# Altium PCB Rev5_FE_Test.PCBDOC (part 2 of 2)
Units mm, origin at the board's own origin, x right, y up, seen from the top; angles counter-clockwise.
Board outline 100 x 23.5 mm, 6 copper layers (Top Layer, Int1 (GND), Int2 (Sign), Int3 (Sign), Int4 (GND), Bottom Layer), stack 1.49 mm thick; 156 components, 83 nets, 449 pads, 275 vias.
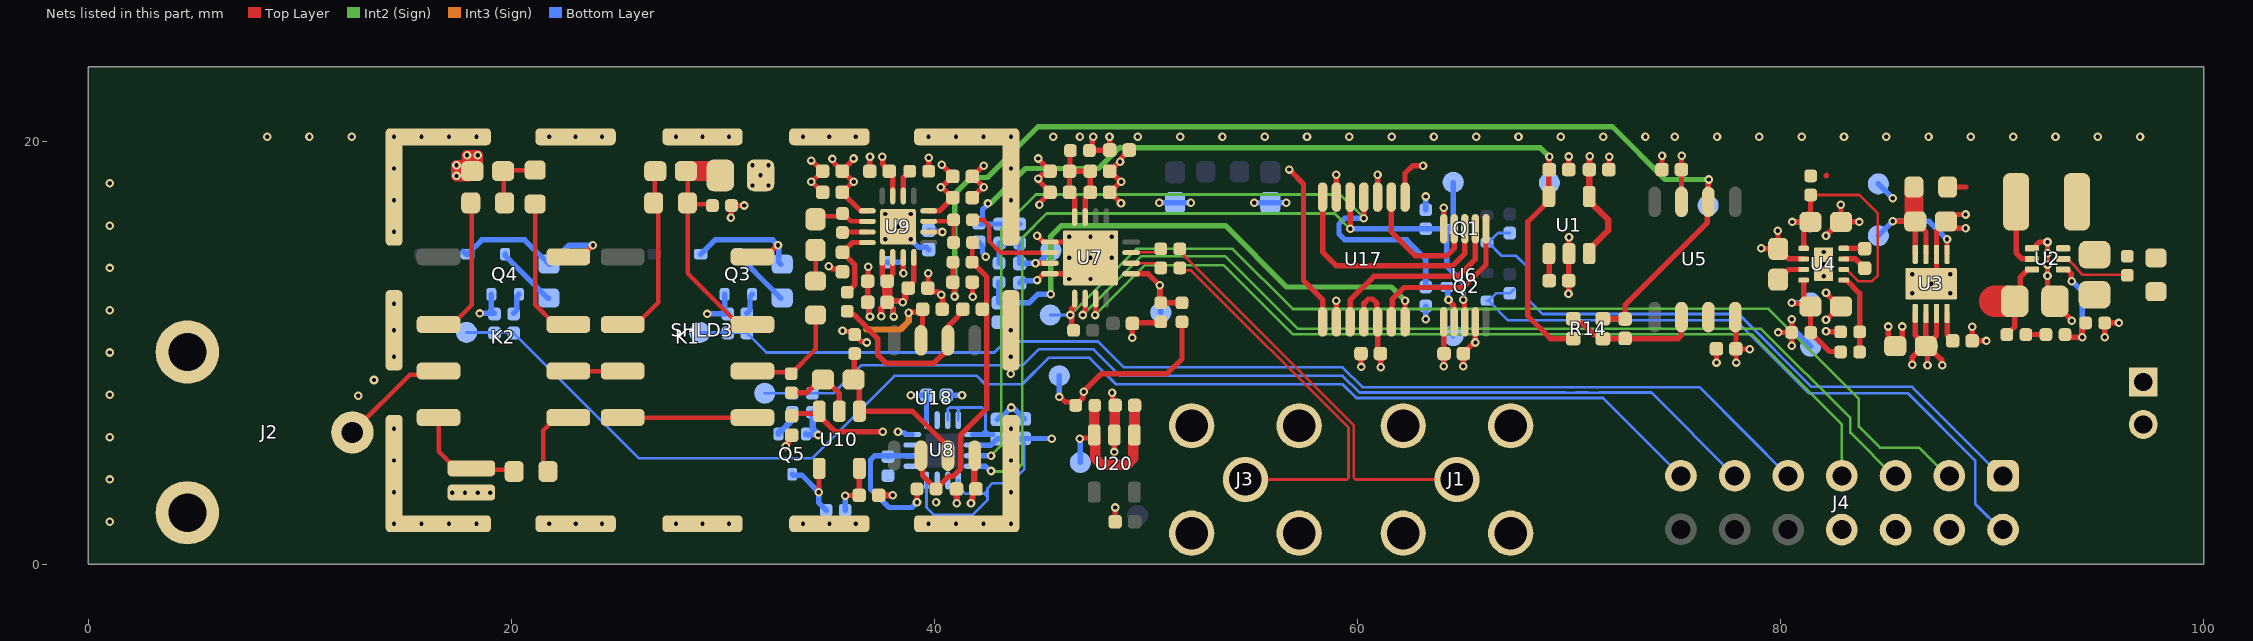
[diagram p6: the nets of this part, all layers, seen from the top]

## Via types
v1: diameter 0.406, hole 0.203, Top Layer to Bottom Layer, tented both sides, 275 vias

## Nets (pads, with @x,y where several pads share a name; then routed paths per layer and width w, separated by ;. In a path a pad name is that pad's centre, name@x,y a point inside that pad or via, vN(x,y) a via of type N, cw(c..) or ccw(c..) an arc to the next point about the centre after c; other vN are vias at no path point) (continued)
+5V: C7.2 C12.1 C13.2 C15.2 C17.1 C22.2 C37.2 C38.1 C39.1 C63.1 C64.2 C78.2 C101.2 C107.2 C132.2 FB8.2 R1.2 R22.2 R23.2 R117.1 R125.2 TP10.1 TP54.1 U1.3 U1.4 U3.1 U3.2 U3.3 U5.7 U6.1 U8.7 U8.8 U8.9 U8.10 U8.13 U8.16 U9.1 U9.12 U9.15 U10.5 U17.11 U17.12 U18.7 | length 75.7
  Top Layer w0.25: v1(35.175,19.154) 35.215,19.115 35.215,19.014 35.635,18.594 C38.1@35.635,18.575 C38.1@35.654,18.575 ; C63.1@35.635,17.575 36.508,16.702 36.548,16.702 36.55,16.7 U9.1@36.825,16.7 ; C63.1@35.654,17.575 36.151,18.072 v1(36.185,18.072) ; v1@36.125,18.075 36.125,18.104 C38.1@35.654,18.575 ; v1(36.175,19.175) 36.175,19.134 35.654,18.613 C38.1@35.654,18.575 ; v1(37.525,19.25) 37.555,19.22 37.555,18.899 38.025,18.429 U9.15@38.025,17.4 ; v1(38.775,11.875) 38.805,11.905 39.395,11.905 C37.2@39.431,11.941 ; U9.12@39.725,16.7 40.24,16.7 C78.2@40.865,17.325 40.846,17.325 40.403,17.768 40.342,17.768 v1(40.303,17.807) 40.329,17.807 C39.1@40.846,18.325 ; v1(40.35,18.875) 40.35,18.858 40.846,18.361 C39.1@40.846,18.325
  Top Layer w0.254: v1(35.775,3.225) 35.788,3.238 36.428,3.238 C101.2@36.44,3.25 36.445,3.255 U10.5@36.445,4.52 ; U10.5@36.445,4.645 U10.5@36.45,4.65 ; U18.7@39.365,10.575 39.431,10.641 C37.2@39.431,11.941 ; U18.7@39.415,10.575 U18.7@39.453,10.613 ; v1(45.9,7.9) 45.941,7.9 46.182,7.659 46.516,7.659 R117.1@46.675,7.5 46.675,7.512 47.021,7.858 47.021,8.121 v1(47.05,8.15) 47.9,9 51,9 51.7,9.7 R1.2@51.7,11.45 ; FB8.2@47.45,19.55 FB8.2@47.325,19.55 FB8.2@47.338,19.562 ; v1(47.5,20.2) 47.5,20.159 47.461,20.119 47.461,19.686 FB8.2@47.338,19.562 ; v1(48.275,20.2) 48.283,20.193 48.283,19.582 C132.2@48.29,19.575 48.278,19.562 FB8.2@47.338,19.562 ; U17.11@60.3,11.45 60.3,12.325 60.507,12.532 60.718,12.532 60.913,12.337 60.913,11.488 U17.12@60.95,11.45 ; U17.12@60.95,11.45 60.95,10.085 C107.2@61.085,9.95 61.091,9.944 61.091,9.309 v1(61.096,9.304) ; v1(64.075,9.35) 64.083,9.357 64.083,9.992 64.09,10 64.083,10.007 64.083,11.443 U6.1@64.075,11.45 ; U5.7@75.32,17.125 75.318,17.127 75.318,18.648 C12.1@75.315,18.65 75.32,18.655 75.32,19.295 v1(75.325,19.3) ; v1(86.225,9.425) 86.225,9.775 86.402,9.952 86.417,9.952 86.765,10.3 C7.2@86.875,10.3 ; U3.1@86.375,11.855 86.375,10.81 C7.2@86.875,10.31 ; U3.2@86.875,11.855 C7.2@86.875,10.31 ; v1(86.95,9.4) 86.95,10.075 86.875,10.15 C7.2@86.875,10.3 ; U3.3@87.375,11.855 87.375,10.81 C7.2@86.875,10.31 ; v1(87.65,9.4) 87.621,9.429 87.621,9.654 86.975,10.3 C7.2@86.875,10.3 ; C7.2@86.875,10.3 C7.2@86.875,10.31
  Top Layer w0.3: U1.3@70.95,14.675 70.95,14.875 71.85,15.775 71.85,16.275 71.524,16.601 71.1,17.025 U1.4@70.957,17.167 ; v1(70.975,19.275) 70.97,19.27 70.97,18.655 C17.1@70.965,18.65 70.957,18.642 U1.4@70.957,17.383 ; U1.4@70.957,17.167 U1.4@70.957,17.383 ; U1.4@70.957,17.167 70.95,17.175 U1.4@70.95,17.375 U1.4@70.957,17.383
  Int3 (Sign) w0.3: 36.772,11.09 38.39,11.09 38.775,11.475 v1(38.775,11.875)
  Bottom Layer w0.127: U8.16@39.625,3.95 39.625,2.675 39.975,2.325 41.8,2.325 42.506,3.031 42.506,3.581 42.75,3.825 43.575,3.825 44.25,4.5 C22.2@44.25,5.94 ; U8.7@40.625,6.8 40.627,6.802 40.627,7.318 40.71,7.401 40.891,7.401 40.89,7.4 41.008,7.4 ; 41.101,7.306 41.008,7.4 ; U8.13@41.125,3.95 41.125,3.65 41.45,3.325 42.35,3.325 ; U8.8@41.125,6.8 41.13,6.805 41.13,7.28 41.25,7.4 ; 41.125,7.306 41.125,7.4 ; 42.275,6.175 42.275,6.194 42.415,6.335 ; 42.475,3.45 42.35,3.325 ; 42.5,3.175 42.35,3.325 ; 42.5,3.325 42.35,3.325 ; 42.5,6.125 42.415,6.21 42.415,6.335 ; 42.55,6.2 42.415,6.335 ; 41.008,7.4 41.125,7.4 ; 41.125,7.4 41.25,7.4 ; 41.25,7.4 42.25,7.4 42.415,7.235 42.415,6.335
  Bottom Layer w0.254: R125.2@35.775,2.55 v1(35.775,3.225) ; U8.10@41.8,5.625 42.667,5.625 42.957,5.915 C15.2@42.975,5.915 42.987,5.927 44.238,5.927 C22.2@44.25,5.94 44.257,5.933 45.542,5.933 v1(45.55,5.925) ; U8.9@41.8,6.125 42.5,6.125 C15.2@42.747,6.125 ; v1(45.9,7.9) TP54.1@45.9,8.9 ; v1(63.225,11.575) R23.2@63.225,12.2 ; R22.2@63.225,16.75 v1(63.225,17.375) ; v1(86.95,9.4) TP10.1@86.95,10.3
+5V2: C3.2 R7.1 R8.1 R10.2 TP13.1 U2.6 | length 6.2
  Top Layer w0.254: R8.1@81.425,18.35 R8.1@81.438,18.363 ; 82.163,18.363 82.175,18.375 ; R7.1@87.905,17.825 88.755,17.825 ; R10.2@90.7,10.85 91.075,11.225 C3.2@91.075,12.425 ; C3.2@91.05,12.45 C3.2@91.075,12.425 ; U2.6@91.885,13.925 91.7,13.925 91.337,13.562 91.337,12.687 C3.2@91.075,12.425
  Top Layer w1.5: 90.125,12.425 C3.2@90.8,12.425
  Bottom Layer w0.254: TP13.1@84.625,17.975 v1(85.3,17.3)
+VBIAS: C18.1 C130.1 R14.2 R118.2 R119.1 TP17.1 U1.5 | length 42.3
  Top Layer w0.254: v1(69.075,19.25) 69.07,19.245 69.07,18.705 69.05,18.685 U1.5@69.05,17.375 69.05,17.175 68.05,16.175 68.05,11.725 69.12,10.655 R14.2@70.2,10.655
  Int2 (Sign) w0.254: v1(42.525,17.05) 42.554,17.079 42.679,17.079 44.3,18.7 47.75,18.7 48.725,19.675 67.35,19.675 68.65,19.675 v1(69.075,19.25)
  Bottom Layer w0.254: v1(42.525,17.05) 42.525,17.009 42.273,16.756 42.273,16.308 C130.1@42.1,16.135 42.16,16.075 R118.2@43.075,16.075 R119.1@44.025,16.075 ; TP17.1@69.075,18.375 v1(69.075,19.25)
+VPGA: C32.2 C33.2 C34.2 C35.2 FB8.1 U7.3 U7.4 | length 6.6
  Top Layer w0.25: C34.2@46.385,18.594 C32.2@46.385,17.575 46.385,17.556 46.625,17.316 U7.4@46.625,16.4 ; FB8.1@46.405,19.57 FB8.1@46.425,19.55 46.405,19.53 46.405,18.595 C34.2@46.385,18.575 C35.2@47.365,18.575 ; U7.3@47.125,16.4 47.125,17.316 47.365,17.556 C33.2@47.365,17.575 C35.2@47.365,18.575 ; C35.2@47.345,18.595 C35.2@47.365,18.575
+VUSB: J12.1 R3.2
-5V: C14.2 C16.2 C102.2 C108.2 C109.1 C110.1 C124.1 C127.2 C128.2 R9.2 R55.2 TP15.1 U5.4 U8.5 U9.5 U9.6 U9.8 U9.10 U10.3 U18.4 | length 28.4
  Top Layer w0.127: C108.2@37.76,13.375 C108.2@37.76,13.427 ; C127.2@38.765,13.05 C127.2@38.765,13.102
  Top Layer w0.25: U9.5@37.525,14.5 37.525,13.662 37.76,13.427 38.025,13.692 U9.6@38.025,14.5 ; C109.1@37.76,12.375 37.885,12.5 37.934,12.451 38.369,12.451 38.445,12.375 v1(38.5,12.375) ; C109.1@37.854,12.263 38.054,12.063 38.054,11.721 v1(38.075,11.7) ; C127.2@38.765,13.102 39.025,13.362 U9.8@39.025,14.5 ; U9.10@39.725,15.7 v1(40.375,15.7) ; U5.4@77.86,11.675 77.895,11.64 77.895,9.53 v1(77.9,9.525) ; C14.2@77.903,10.163 78.528,10.163 v1(78.54,10.15) ; v1(79.895,10.95) R9.2@80.525,10.95 ; v1(80.525,10.32) R9.2@80.525,10.95 ; v1(80.525,11.58) R9.2@80.525,10.95
  Top Layer w0.254: C128.2@33.25,7.01 33.358,7.118 34.379,7.118 U10.3@34.379,7.01 ; U10.3@34.55,7.225 34.55,7.181 U10.3@34.379,7.01 ; v1(37.55,6.25) 35.325,6.25 34.69,6.885 34.69,7.01 U10.3@34.379,7.01
  Top Layer w0.3: v1(37.487,11.712) 37.487,12.096 37.752,12.361 C109.1@37.752,12.367 ; v1(38.5,12.375) 38.5,12.418 38.623,12.541 38.623,12.908 C127.2@38.765,13.05 ; v1(41.725,2.875) 41.725,2.904 41.796,2.975 C124.1@41.796,3.381 ; C124.1@41.88,3.605 U18.4@41.88,5.1 ; U18.4@41.93,5.1 U18.4@41.955,5.125 ; C124.1@41.943,3.518 C124.1@41.975,3.55
  Top Layer w0.5: C109.1@37.76,12.375 C108.2@37.76,13.375
  Bottom Layer w0.25: v1(37.487,11.712) 37.471,11.727 37.471,12.067 37.76,12.356 C102.2@37.76,12.37 ; R55.2@37.75,13.375 37.755,13.37 C102.2@37.755,12.38 ; v1(38.075,11.7) 38.045,11.73 38.045,12.085 C102.2@37.76,12.37 ; v1(38.5,12.375) 38.457,12.375 38.385,12.448 37.833,12.448 C102.2@37.76,12.375 C102.2@37.76,12.37 ; v1(38.875,7.975) C16.2@39.64,7.975 39.627,7.962 39.627,6.802 U8.5@39.625,6.8 ; C110.1@39.725,15.785 39.78,15.73 40.345,15.73 v1(40.375,15.7) ; v1(79.895,10.95) 80.775,10.95 TP15.1@81.425,10.3
-VBIAS: C28.1 C100.1 R14.4 R99.1 TP19.1 U5.6 | length 55
  Top Layer w0.25: R99.1@40.875,14.275 40.87,14.27 40.87,13.33 C28.1@40.865,13.325 C28.1@40.92,13.27
  Top Layer w0.254: C28.1@40.865,13.325 40.921,13.269 40.921,12.679 v1(40.95,12.65) ; R99.1@40.865,14.275 R99.1@40.87,14.27 ; R14.4@71.6,11.595 71.605,11.59 72.645,11.59 C100.1@72.65,11.585 72.652,11.587 72.652,12.252 76.542,16.142 76.542,17.077 76.595,17.13 76.595,18.175 v1(76.601,18.18)
  Int2 (Sign) w0.254: v1(40.95,12.65) 40.95,17.5 41.728,18.278 42.503,18.278 44.9,20.675 72.05,20.675 74.545,18.18 v1(76.601,18.18)
  Bottom Layer w0.254: v1@40.945,12.645 v1(40.95,12.65) ; TP19.1@76.575,16.95 76.588,16.963 76.588,17.992 v1@76.601,18.005
ATTEN_4: J4.9 R47.2 R49.2 TP22.1 | length 54.7
  Bottom Layer w0.127: TP22.1@28.9,10.95 30.225,10.95 R47.2@31.125,10.95 ; R47.2@31.125,10.925 32.05,10 42.825,10 43.35,10.525 47.725,10.525 48.95,9.3 59.3,9.3 60.239,8.361 69.907,8.361 69.912,8.356 70.238,8.356 70.243,8.361 71.007,8.361 71.012,8.356 71.338,8.356 71.343,8.361 76.168,8.361 78.371,6.159 J4.9@80.36,4.17
ATTEN_OUT: K1.6 R54.1 R96.2 | length 5.3
  Top Layer w0.213: K1.6@31.395,9.125 31.457,9.062 33.163,9.062 R96.2@33.225,9 34.375,10.15 R54.1@34.375,11.775 R54.1@34.425,11.775
  Top Layer w0.254: K1.6@31.395,8.925 K1.6@31.433,8.962 ; R96.2@33.188,8.962 R96.2@33.225,9
DC_CPL_4: J4.11 R126.2 R127.2 TP26.1 | length 49.2
  Bottom Layer w0.127: TP26.1@31.975,8.075 R126.2@33.275,8.075 R127.2@34.225,8.075 35.225,8.075 36.55,9.4 44.175,9.4 44.925,10.15 47.525,10.15 48.775,8.9 59.3,8.9 60.093,8.107 69.802,8.107 69.807,8.102 70.343,8.102 70.348,8.107 70.902,8.107 70.907,8.102 71.443,8.102 71.448,8.107 73.894,8.107 J4.11@77.832,4.17
DC_CPLn: Q5.1 R125.1 U10.4 | length 3.8
  Top Layer w0.254: v1(34.525,3.4) 34.538,3.413 34.538,4.513 U10.4@34.55,4.525 ; U10.4@34.55,4.65 U10.4@34.563,4.638
  Bottom Layer w0.254: Q5.1@33.275,4.25 33.323,4.202 33.723,4.202 v1(34.525,3.4) 34.525,2.9 R125.1@34.875,2.55
FE_EN: R6.1 U2.2 | length 3.3
  Top Layer w0.127: U2.2@93.365,14.425 93.444,14.346 93.604,14.346 93.644,14.346 U2.2@93.678,14.322 ; 93.704,14.296 93.735,14.265 93.888,14.113 93.891,14.11 94.234,13.718 94.277,13.675 94.33,13.675 96.4,13.675 R6.1@96.406,13.675
GND: C1.1 C2.1 C3.1 C4.1 C5.1 C6.1 C7.1 C8.1 C10.1 C11.1 C12.2 C13.1 C14.1 C15.1 C16.1 C17.2 C18.2 C19.1 C20.2 C22.1 C23.1 C28.2 C29.1 C31.2 C32.1 C33.1 C34.1 C35.1 C36.1 C37.1 C38.2 C39.2 C63.2 C64.1 C78.1 C101.1 C102.1 C107.1 C108.1 C109.2 C110.2 C124.2 C125.1 C126.1 C127.1 C128.1 C130.2 C131.2 C132.1 J1.2 J2.2 J3.2 J4.4 J4.6 J4.8 J12.2 Q3.3 Q4.3 Q5.3 R2.2 R13.1 R35.1 R41.1 R49.1 R50.1 R105.1 R120.1 R122.1 R123.1 R127.1 SHLD3.1 U1.2 U2.4 U3.6 U3.9 U4.2 U4.9 U5.3 U6.4 U6.10 U7.5 U7.8 U7.17 U8.1 U8.3 U8.4 U8.6 U8.14 U8.15 U9.17 U17.3 U17.6 U20.2 | length 87.8
  Top Layer w0.25: v1(34.167,18.075) v1@34.197,18.075 ; v1@34.198,19.075 C38.2@34.697,18.575 ; C63.2@34.715,17.57 34.702,17.57 v1@34.197,18.075 ; C38.2@34.715,18.575 C38.2@34.697,18.575 ; v1(35.65,11.025) 35.68,10.995 R122.1@36.093,10.995 ; R122.1@36.225,10.85 36.236,10.85 36.581,10.505 36.745,10.505 v1@36.775,10.475 ; v1(36.875,14.051) 36.858,14.033 36.858,13.393 C108.1@36.84,13.375 C109.2@36.84,12.375 36.92,12.295 36.92,11.73 v1(36.95,11.7) ; C64.1@36.94,18.575 36.945,18.58 36.945,19.246 v1(36.95,19.251) ; v1(39.7,13.75) 39.693,13.743 39.693,13.058 C127.1@39.685,13.05 39.858,12.877 40.131,12.877 40.283,12.725 v1(40.325,12.725) 40.325,12.683 40.396,12.612 C37.1@40.396,12.332 ; C28.2@41.785,13.325 41.8,13.31 41.8,12.65 v1(41.815,12.635) ; v1(44.85,13.425) 45.15,13.725 U7.17@46.625,13.725 ; v1(44.85,15.525) 45.15,15.225 U7.5@45.45,15.225 U7.17@46.625,15.225 ; v1(87.125,13.25) 87.375,13.5 U3.6@87.375,14.645 87.375,15.744 87.82,16.189 C6.1@87.82,16.2 ; v1@34.198,18.075 C38.2@34.697,18.575
  Top Layer w0.254: v1(30.375,16.375) 30.388,16.388 30.388,16.938 R35.1@30.4,16.95 v1(31,16.95) ; v1(31.4,17.9) 31.725,18.225 C23.1@31.775,18.225 ; v1(31.4,18.85) 31.566,18.684 31.566,18.584 v1(31.775,18.375) ; v1(32.15,17.9) 32.15,17.976 31.901,18.225 C23.1@31.775,18.225 ; v1(32.15,18.85) 32.15,18.75 v1(31.775,18.375) ; v1(35,14.075) 35.041,14.075 35.154,13.962 35.485,13.962 C29.1@35.632,13.815 ; R120.1@39.725,18.575 v1(39.725,19.205) ; C39.2@41.785,18.325 C39.2@41.803,18.325 ; C78.1@41.93,17.18 C78.1@41.785,17.325 41.803,17.325 42.299,17.821 v1@42.307,17.821 ; v1(42.325,18.825) 42.303,18.825 C39.2@41.803,18.325 ; v1(42.336,17.821) v1@42.307,17.821 ; v1(44.9,19.175) 44.9,19.158 45.465,18.592 C34.1@45.465,18.575 45.292,18.402 45.077,18.402 v1(44.9,18.225) 44.929,18.196 44.929,18.124 45.465,17.588 45.465,17.557 44.99,17.082 44.99,17.022 v1(44.961,16.993) ; C33.1@48.285,17.575 C33.1@48.293,17.575 ; C35.1@48.293,18.575 C35.1@48.303,18.575 ; v1(48.397,8.097) 48.426,8.067 48.426,7.614 C125.1@48.54,7.5 ; v1(48.5,5.3) U20.2@48.5,6.1 ; C126.1@48.54,2 48.54,2.665 v1(48.55,2.675) ; v1(48.818,17.059) 48.809,17.059 C33.1@48.293,17.575 ; v1(48.836,18.079) v1@48.807,18.079 ; C132.1@49.21,19.575 49.21,19.557 48.804,19.151 48.804,19.054 v1(48.775,19.025) 48.753,19.025 C35.1@48.303,18.575 ; v1(49.35,10.699) 49.355,10.704 49.355,11.37 49.397,11.412 50.663,11.412 R2.2@50.7,11.45 ; U17.6@59,17.35 v1(59,18.4) ; v1@60.165,9.326 C107.1@60.165,9.95 C107.1@60.263,10.047 ; U17.3@60.95,17.35 v1(60.95,18.4) ; U6.10@64.075,15.85 v1(64.075,16.85) ; v1(64.995,9.35) 65.003,9.357 65.003,9.975 65.474,10.446 65.546,10.446 v1(65.575,10.475) U6.4@65.575,11.45 ; v1(69.975,12.775) 69.98,12.78 69.98,13.395 C19.1@69.985,13.4 69.992,13.407 69.992,14.667 U1.2@70,14.675 v1(70,15.45) ; C18.2@69.98,18.595 C18.2@69.985,18.6 ; C18.2@69.988,18.597 C18.2@69.985,18.6 ; v1(69.99,19.27) 69.988,19.268 69.988,18.602 C18.2@69.985,18.6 ; C17.2@71.885,18.65 71.893,18.658 71.893,19.243 v1(71.9,19.25) ; C12.2@74.395,18.65 74.398,18.653 74.398,19.298 v1(74.4,19.3) ; C14.1@76.97,10.175 76.973,10.173 76.973,9.527 v1(76.975,9.525) ; v1(79.085,14.925) 79.098,14.913 79.878,14.913 C11.1@79.883,14.908 ; v1(79.875,15.756) 79.883,15.748 C11.1@79.883,14.908 ; U4.2@81.091,14.426 80.375,14.426 79.9,14.901 C11.1@79.891,14.901 C11.1@79.883,14.908 ; v1(82.15,11) 82.162,10.988 82.828,10.988 R13.1@82.841,10.976 ; v1(82.15,11.55) 82.17,11.55 82.796,12.176 C5.1@82.808,12.176 ; v1(82.15,12.825) 82.158,12.825 C5.1@82.808,12.176 ; v1(82.15,15.525) 82.801,16.176 C8.1@82.866,16.176 82.858,16.183 82.858,16.973 v1(82.85,16.981) ; C5.1@82.866,12.176 C5.1@82.808,12.176 ; C8.1@82.866,16.176 v1(83.721,16.175) ; C7.1@85.1,10.38 v1(85.1,11.23) ; C7.1@85.75,10.38 v1(85.75,11.23) ; C6.1@87.9,15.875 v1(88.75,15.875) ; C6.1@87.9,16.525 v1(88.75,16.525) ; v1(89.06,11.225) C10.1@89.06,10.55 v1(89.735,10.55) ; U2.4@91.885,14.925 92.07,14.925 92.093,14.948 92.093,15.076 92.242,15.225 v1(92.625,15.225) v1(92.625,14.692) v1(92.625,14.158) v1(92.625,13.625) 92.625,12.775 C3.1@92.975,12.425 ; C3.1@93.075,12.325 C3.1@92.975,12.425 ; v1(93.775,11.5) 93.775,11.513 92.975,12.312 C3.1@92.975,12.425 ; v1(95.325,10.725) R105.1@95.325,11.4 v1(96,11.4) ; C23.1@31.775,18.225 v1(31.775,18.375) ; C39.2@41.803,18.325 v1@42.307,17.821 ; C33.1@48.293,17.575 48.303,17.575 v1@48.807,18.079 ; C35.1@48.303,18.575 48.799,18.079 v1@48.807,18.079
  Top Layer w0.3: v1(32.963,5.578) 32.963,5.606 33.086,5.73 33.086,5.921 33.21,6.045 C128.1@33.255,6.045 ; C101.1@37.365,3.205 37.41,3.25 v1(38.025,3.25) ; C124.2@41.023,3.528 41.045,3.505 41.045,2.88 v1(41.05,2.875)
  Top Layer w0.508: C20.2@17.95,18.35 v1(17.4,18.35) v1(17.4,18.85) C20.2@17.95,18.85 ; C20.2@18.1,18.575 17.9,18.775 v1(17.9,19.325) v1(18.4,19.325) 18.4,18.775 C20.2@18.225,18.6 ; U20.2@48.5,6.1 48.52,6.12 48.52,7.48 C125.1@48.54,7.5
  Bottom Layer w0.25: C31.2@44.025,13.29 44.13,13.395 44.82,13.395 v1(44.85,13.425)
  Bottom Layer w0.254: v1(18.5,11.85) 19.2,11.85 19.05,12 Q4.3@19.05,12.75 ; v1(29.25,11.825) 30.2,11.825 30.225,11.85 30.075,12 Q3.3@30.075,12.75 ; C102.1@36.84,12.375 36.921,12.294 36.921,11.729 v1(36.95,11.7) ; v1(38.275,6.25) 38.304,6.221 38.558,6.221 38.654,6.125 U8.4@38.95,6.125 ; v1(38.875,15.35) 39.256,14.969 39.621,14.969 C110.2@39.725,14.865 ; C16.1@40.56,7.975 v1(41.3,7.975) ; C130.2@42.1,15.215 42.273,15.042 42.273,14.719 42.425,14.566 v1(42.425,14.525) ; C15.1@42.975,6.835 43.148,7.008 43.233,7.008 v1(43.625,7.4) 43.654,7.371 43.739,7.371 C22.1@44.25,6.86 ; v1(50.625,17.075) C4.1@51.375,17.075 v1(52.125,17.075) ; v1(55.125,17.075) C1.1@55.875,17.075 v1(56.625,17.075)
  Bottom Layer w0.3: Q5.3@33.925,6.15 33.951,6.124 34.448,6.124 34.471,6.1 v1(34.5,6.1) ; R127.1@34.238,7.162 34.238,6.396 v1@34.447,6.187
  other v1: 14.45,1.9 15.75,1.9 17.05,1.9 18.35,1.9 21.783,1.905 23.033,1.905 24.283,1.905 27.783,1.905 29.033,1.905 30.283,1.905 33.783,1.905 35.033,1.905 36.283,1.905 39.715,1.9 41.015,1.9 42.315,1.9 43.615,1.9 1,2 40.075,2.92 17.2,3.375 17.8,3.375 18.4,3.375 19,3.375 14.45,3.4 43.615,3.4 1,4 14.45,4.9 43.615,4.9 1,6 14.45,6.4 43.615,6.4 12.75,7.95 1,8 13.5,8.7 43.61,9 60.171,9.321 14.45,9.8 43.61,9.8 1,10 36.8,10.475 14.45,11.05 43.61,11.05 1,12 14.45,12.3 86.225,12.8 88.025,12.8 46.375,13.475 47.375,13.475 82.05,13.6 86.225,13.7 88.025,13.7 1,14 82.05,14.175 46.375,14.475 47.375,14.475 48.375,14.475 82.05,14.75 37.675,15.35 46.375,15.475 47.375,15.475 48.375,15.475 14.448,15.705 38.275,15.95 1,16 37.675,16.55 38.875,16.55 14.448,17.205 43.613,17.205 1,18 14.448,18.705 43.613,18.705 34.167,19.075 8.448,20.205 10.448,20.205 12.448,20.205 14.448,20.205 15.748,20.205 17.048,20.205 18.348,20.205 21.78,20.2 23.03,20.2 24.28,20.2 27.78,20.2 29.03,20.2 30.28,20.2 33.78,20.2 35.03,20.2 36.28,20.2 39.713,20.205 41.013,20.205 42.313,20.205 43.613,20.205 45.613,20.205 46.875,20.205 49.613,20.205 51.613,20.205 53.613,20.205 55.613,20.205 57.613,20.205 59.613,20.205 61.613,20.205 63.613,20.205 65.613,20.205 67.613,20.205 69.613,20.205 71.613,20.205 73.613,20.205 75,20.2 77,20.2 79,20.2 81,20.2 83,20.2 85,20.2 87,20.2 89,20.2 91,20.2 93,20.2 95,20.2 97,20.2
NetC2_2: C2.2 L1.1 R3.1 R6.2 U2.3
NetC5_2: C5.2 R9.1 R11.2 TP12.1 U4.4 | length 6.1
  Top Layer w0.254: v1(80.525,12.35) 80.554,12.321 C5.2@81.27,12.321 ; U4.4@81.091,13.426 81.091,12.501 C5.2@81.27,12.321 ; R11.2@82.841,10.026 82.815,10.051 82.324,10.051 R9.1@81.425,10.95 81.42,10.955 81.42,12.171 C5.2@81.416,12.176 C5.2@81.27,12.321
  Bottom Layer w0.254: v1(80.525,12.35) TP12.1@81.425,12.35
NetC6_2: C6.2 R7.2 TP9.1 U3.5 U3.7 U3.8 | length 10.5
  Top Layer w0.25: U3.8@86.373,14.647 C6.2@86.373,16.187 ; C6.2@86.378,16.2 86.875,15.703 U3.7@86.875,14.645 ; U3.5@87.875,14.645 v1(87.875,15.35)
  Top Layer w0.254: v1@85.45,16.2 C6.2@86.37,16.2 ; U3.8@86.373,14.647 U3.8@86.375,14.645 ; C6.2@86.373,16.187 86.373,16.197 C6.2@86.37,16.2 ; C6.2@86.378,16.2 C6.2@86.37,16.2
  Top Layer w0.9: R7.2@86.305,17.825 86.305,16.225 86.33,16.2 C6.2@86.37,16.2
  Bottom Layer w0.254: TP9.1@84.625,15.525 v1(85.3,16.2) ; v1@85.295,16.2 87.025,16.2 v1(87.875,15.35)
NetC8_2: C8.2 R8.2 TP11.1 U4.1 U4.6 | length 12.8
  Top Layer w0.127: R8.2@81.425,17.45 83.725,17.45 84.6,16.575 84.6,13.65 84.325,13.375 83.666,13.375 83.116,13.926 U4.6@82.991,13.926
  Top Layer w0.254: v1(80.56,16.175) C8.2@81.416,16.176 81.091,15.851 U4.1@81.091,14.926 ; C8.2@81.416,16.176 81.42,16.18 81.42,17.445 R8.2@81.425,17.45
  Bottom Layer w0.254: v1(80.56,16.175) TP11.1@81.4,16.175
NetC9_1: C9.1 U4.7 | length 1.2
  Top Layer w0.254: U4.7@82.991,14.426 83.539,14.426 C9.1@83.975,13.99
NetC9_2: C9.2 U4.8 | length 1
  Top Layer w0.254: U4.8@82.991,14.926 82.993,14.924 83.961,14.924 C9.2@83.975,14.91
NetC10_2: C10.2 U3.4 | length 1.4
  Top Layer w0.254: U3.4@87.875,11.855 87.875,10.833 88.14,10.568 C10.2@88.14,10.55
NetC11_2: C11.2 U4.3 | length 1.4
  Top Layer w0.254: C11.2@79.891,13.451 79.9,13.451 80.375,13.926 U4.3@81.091,13.926
NetC19_2: C19.2 U1.1 | length 1.3
  Top Layer w0.254: U1.1@69.05,14.675 69.057,14.668 69.057,13.433 C19.2@69.065,13.425
NetC20_1: C20.1 R30.1 R31.2 | length 3
  Top Layer w0.213: C20.1@19.6,18.575 19.637,18.537 19.637,17.112 R31.2@19.675,17.075 ; C20.1@19.62,18.625 R30.1@21.12,18.625
NetC21_1: C21.1 C23.2 K1.7 R32.2 R35.2 | length 10.9
  Top Layer w0.213: C21.1@28.25,18.5 C21.1@28.325,18.425 ; C21.1@28.325,18.175 R32.2@28.325,17.075 ; R35.2@29.5,16.95 29.438,17.013 28.387,17.013 R32.2@28.325,17.075 ; K1.7@30.75,11.325 28.325,13.75 R32.2@28.325,17.075
  Top Layer w0.95: C21.1@28.25,18.575 29.7,18.575 29.875,18.4 C23.2@29.875,18.375
NetC21_2: C21.2 K1.2 R32.1 | length 8.3
  Top Layer w0.213: K1.2@25.255,11.325 25.9,11.325 26.95,12.375 26.95,16.85 R32.1@26.725,17.075 26.763,17.113 26.763,18.288 C21.2@26.675,18.375
NetC26_1: C26.1 R65.2 U9.2 | length 2.8
  Top Layer w0.213: C26.1@34.375,16.411 C26.1@34.375,16.3 34.513,16.438 35.512,16.438 R65.2@35.65,16.575 35.664,16.575 36.039,16.2 U9.2@36.825,16.2
NetC26_2: C26.2 R54.2 | length 1.5
  Top Layer w0.213: R54.2@34.375,13.375 C26.2@34.375,14.85
NetC27_1: C27.1 R96.1 U10.2 | length 3.6
  Top Layer w0.254: R96.1@33.225,8.1 33.975,8.1 34.32,8.445 34.335,8.445 34.725,8.835 34.725,8.85 35.493,8.082 35.493,7.357 U10.2@35.5,7.35
NetC27_2: C27.2 R122.2 U10.1 U18.3 | length 7.6
  Top Layer w0.25: 39.86,6.325 40.635,5.55 U18.3@40.635,5.125
  Top Layer w0.254: C27.2@36.175,8.725 36.2,8.75 36.2,9.925 R122.2@36.225,9.95 ; U10.1@36.45,7.225 38.96,7.225 39.86,6.325 ; U10.1@36.45,7.562 C27.2@36.45,8.575
NetC29_2: C29.2 R100.1 U9.4 | length 3.6
  Top Layer w0.25: R100.1@35.875,12.85 36.225,13.2 36.225,14.16 C29.2@35.65,14.735 35.656,14.735 36.121,15.2 U9.4@36.825,15.2
NetC30_1: C30.1 R100.2 U18.6 | length 8.7
  Top Layer w0.254: R100.2@35.875,11.95 36.034,11.791 36.184,11.791 37.325,10.65 37.325,9.875 37.7,9.5 39.985,9.5 40.701,10.216 40.701,11.311 C30.1@41.44,12.05
NetC30_2: C30.2 R98.1 R99.2 R121.2 U18.2 | length 15.4
  Top Layer w0.213: R99.2@41.775,14.275 41.788,14.288 41.788,15.188 R98.1@41.8,15.2
  Top Layer w0.25: R99.2@41.775,14.275 42.475,13.575 C30.2@42.475,12.265 ; C30.2@42.26,12.05 C30.2@42.475,12.265 ; 42.475,11.6 C30.2@42.475,12.265
  Top Layer w0.254: U18.2@39.365,5.125 39.431,5.059 39.431,4.194 R121.2@40.075,3.55 40.671,4.146 40.864,4.146 41.245,4.526 41.245,6.12 42.475,7.35 42.475,11.6 ; C30.2@42.459,11.951 C30.2@42.459,12.149
NetC31_1: C31.1 FB7.2 R118.1 R119.2 TP25.1 U7.7 | length 5.3
  Top Layer w0.25: v1@44.761,14.225 v1(44.775,14.225) U7.7@45.45,14.225
  Bottom Layer w0.254: FB7.2@43.05,14.225 43.063,14.238 43.063,15.162 R118.1@43.075,15.175 R119.2@44.025,15.175 C31.1@44.025,14.21 44.033,14.217 44.768,14.217 44.804,14.254 44.929,14.254 TP25.1@45.5,14.825
NetC125_2: C125.2 R117.2 TP52.1 U20.1 U20.3 | length 9
  Top Layer w0.254: v1(46.868,5.93) 46.897,5.959 47.409,5.959 U20.3@47.55,6.1
  Top Layer w0.5: R117.2@47.575,7.5 47.563,7.488 47.563,6.113 U20.3@47.55,6.1 47.6,6.05 47.6,4.993 47.893,4.7 49.107,4.7 49.4,4.993 49.4,6.05 49.455,6.105 49.455,7.495 C125.2@49.46,7.5
  Bottom Layer w0.254: v1(46.868,5.93) 46.884,5.914 46.884,4.816 TP52.1@46.9,4.8
NetD2_2: D2.2 K1.8 R16.2 | length 6.4
  Top Layer w0.254: K1.8@31.395,14.525 32.037,14.525 32.588,15.075 v1(32.6,15.075)
  Bottom Layer w0.254: D2.2@28.95,14.65 29.625,15.325 32.35,15.325 v1(32.6,15.075) 32.629,15.046 32.629,14.271 R16.2@32.725,14.175
NetD3_2: D3.2 K2.8 R5.2 | length 8.7
  Top Layer w0.254: K2.8@22.699,14.646 23.431,14.646 23.85,15.065 v1(23.85,15.075)
  Bottom Layer w0.254: D3.2@17.727,14.79 17.727,14.773 17.85,14.65 D3.2@18,14.65 ; D3.2@17.925,14.65 18.6,15.325 20.625,15.325 R5.2@21.775,14.175 21.825,14.175 22.725,15.075 v1(23.85,15.075)
NetJ2_1: J2.1 K2.3 | length 5.3
  Top Layer w0.213: J2.1@12.475,6.225 15.201,8.951 16.376,8.951 K2.3@16.55,9.125
NetK1_3: K1.3 K2.6 | length 2.6
  Top Layer w0.213: K2.6@22.69,9.125 K1.3@25.255,9.125
NetK1_4: K1.4 K1.5 | length 6.1
  Top Layer w0.213: K1.4@25.255,6.925 K1.5@31.395,6.925
NetK2_2: K2.2 R31.1 | length 6.7
  Top Layer w0.213: K2.2@16.55,11.325 17.2,11.325 18.12,12.245 R31.1@18.12,17.025
NetK2_4: K2.4 R29.1 R41.2 | length 5.6
  Top Layer w0.213: K2.4@16.55,6.925 16.55,5.331 17.356,4.525 R41.2@18.1,4.525 18.175,4.45 20.05,4.45 R29.1@20.125,4.375
NetK2_5: K2.5 R29.2 | length 4
  Top Layer w0.213: R29.2@21.725,4.375 21.5,4.6 21.5,6.314 K2.5@22,6.814 ; K2.5@22.05,6.764 K2.5@22.211,6.925 ; K2.5@22.69,6.925 K2.5@22.211,6.925 ; K2.5@22.695,7.05 22.336,7.05 K2.5@22.211,6.925
NetK2_7: K2.7 R30.2 | length 6.7
  Top Layer w0.213: R30.2@21.12,17.025 21.12,12.265 22.06,11.325 K2.7@22.69,11.325
NetL1_2: L1.2 U2.5 | length 3.3
  Top Layer w0.254: L1.2@91.14,17.125 91.14,14.71 91.419,14.431 91.879,14.431 U2.5@91.885,14.425
NetQ3_1: Q3.1 R16.1 | length 3
  Bottom Layer w0.254: Q3.1@30.823,14.748 Q3.1@30.725,14.65 30.725,14.585 32.412,12.897 32.412,12.888 R16.1@32.725,12.575
NetQ3_2: Q3.2 R47.1 | length 1
  Bottom Layer w0.254: R47.1@31.125,11.85 31.275,12 31.275,12.65 Q3.2@31.375,12.75
NetQ4_1: Q4.1 R5.1 | length 3
  Bottom Layer w0.254: Q4.1@19.7,14.65 19.7,14.585 21.71,12.575 R5.1@21.775,12.575
NetQ4_2: Q4.2 R48.1 | length 1
  Bottom Layer w0.254: R48.1@20.1,11.85 20.25,12 20.25,12.65 Q4.2@20.35,12.75
NetQ5_2: Q5.2 R126.1 | length 1.3
  Bottom Layer w0.3: Q5.2@32.625,6.15 32.625,6.215 32.71,6.3 32.775,6.3 33.188,6.713 33.188,7.088 R126.1@33.275,7.175
NetR10_1: R10.1 R12.2 | length 0.9
  Top Layer w0.254: R10.1@91.6,10.85 R12.2@92.55,10.85
NetR11_1: R11.1 R13.2 U4.5 | length 3.8
  Top Layer w0.254: U4.5@82.991,13.426 83.112,13.426 83.741,12.797 R13.2@83.741,10.976 R11.1@83.741,10.026
NetR12_1: R12.1 R105.2 U2.1 | length 5.3
  Top Layer w0.254: U2.1@93.365,13.925 93.55,13.925 93.746,13.729 93.746,13.404 v1(93.775,13.375) ; R12.1@93.45,10.85 93.58,10.72 v1(94.27,10.72) 94.27,11.245 R105.2@94.425,11.4
  Bottom Layer w0.254: v1(93.775,13.375) 94.27,12.88 v1(94.27,10.72)
NetR55_1: R55.1 U9.7 | length 2
  Top Layer w0.127: U9.7@38.525,14.5 U9.7@38.528,14.497 ; v1@38.528,13.745 v1(38.53,13.742)
  Top Layer w0.25: v1@38.528,13.745 U9.7@38.528,14.497
  Bottom Layer w0.25: R55.1@37.75,14.275 38.384,14.275 38.53,14.129 v1(38.53,13.742)
NetR56_1: R56.1 R98.2 U9.11 | length 2.3
  Top Layer w0.213: U9.11@39.725,16.2 39.732,16.207 40.832,16.207 R56.1@40.9,16.275 R98.2@40.9,15.2
NetR56_2: R56.2 U7.6 | length 4.7
  Top Layer w0.213: R56.2@41.8,16.275 42.3,16.275 42.6,15.975 42.6,15.25 43.125,14.725 U7.6@45.45,14.725
NetR65_1: R65.1 U9.3 | length 1.2
  Top Layer w0.25: R65.1@35.65,15.675 35.675,15.7 U9.3@36.825,15.7
NetR120_2: R120.2 U9.14 | length 1.3
  Top Layer w0.254: U9.14@38.525,17.4 38.525,18.263 38.825,18.563 R120.2@38.825,18.575
NetR121_1: R121.1 R123.2 U8.2 | length 6.7
  Top Layer w0.254: v1(39.175,2.92) R121.1@39.175,3.55
  Bottom Layer w0.25: R123.2@37.8,5.075 37.752,5.123 37.173,5.123 36.975,4.925 36.975,3.55 37.85,2.675 38.93,2.675 v1(39.175,2.92) ; R123.2@37.848,5.123 38.948,5.123 U8.2@38.95,5.125
OUT_N: R97.1 U7.14 | length 1.4
  Top Layer w0.127: U7.14@49.353,14.225 50.428,14.225 50.653,14 R97.1@50.7,14
OUT_P: R52.1 U7.15 | length 1.5
  Top Layer w0.127: U7.15@49.3,14.725 49.317,14.741 50.542,14.741 R52.1@50.7,14.9
OUT_R_N: J3.1 R97.2 | length 18.4
  Top Layer w0.127: R97.2@51.6,14 51.714,13.886 52.132,13.886 59.571,6.446 59.571,4.074 59.497,4 J3.1@54.7,4
OUT_R_P: J1.1 R52.2 | length 19.2
  Top Layer w0.127: R52.2@51.6,14.9 51.783,14.717 51.783,14.574 51.867,14.49 51.891,14.49 59.829,6.553 59.829,4.074 59.903,4 J1.1@64.7,4
PGA_CSn_4: J4.3 R51.1 TP24.1 U7.9 | length 50.7
  Top Layer w0.25: v1(46.425,11.775) 46.488,11.712 46.488,11.162 R51.1@46.6,11.05 ; v1@46.442,11.775 46.488,11.821 46.488,12.08 46.625,12.217 U7.9@46.625,12.55
  Int2 (Sign) w0.127: v1(46.425,11.775) 49.55,14.9 54.1,14.9 56.944,12.056 66.566,12.056 66.575,12.065 79.435,12.065 83.7,7.8 83.7,6.5 84.7,5.5 86.55,5.5 J4.3@87.98,4.07
  Bottom Layer w0.127: TP24.1@45.475,11.775 v1(46.425,11.775)
PGA_SCLK: J4.7 U7.11 | length 42.7
  Top Layer w0.25: v1(47.593,11.77) 47.625,11.802 U7.11@47.625,12.55
  Int2 (Sign) w0.127: v1(47.593,11.77) 49.953,14.13 53.67,14.13 56.931,10.869 78.631,10.869 82.9,6.6 J4.7@82.9,4.07
PGA_SDIO: J4.5 U7.10 | length 45.2
  Top Layer w0.25: v1(47.009,11.775) 47.009,11.864 47.125,11.98 U7.10@47.125,12.55
  Int2 (Sign) w0.127: v1(47.009,11.775) 49.789,14.555 53.745,14.555 57.177,11.123 79.077,11.123 83.3,6.9 83.3,6.21 J4.5@85.44,4.07
SCL: J4.2 Q2.3 R21.1 | length 31.5
  Bottom Layer w0.127: Q2.3@66.125,12.45 Q2.3@66.19,12.45 ; R21.1@67.375,12.975 R21.1@67.2,12.8 66.54,12.8 Q2.3@66.19,12.45 ; J4.2@90.52,1.53 89.2,2.85 89.2,4.9 86.025,8.075 81.351,8.075 77.901,11.525 67.115,11.525 Q2.3@66.19,12.45
SCL_5V: Q2.1 R23.1 TP20.1 U6.2 U8.11 U17.4 | length 43.4
  Top Layer w0.254: v1(60.3,16.35) U17.4@60.3,17.35 ; v1(64.3,12.5) 64.3,12.459 64.557,12.202 64.557,11.468 U6.2@64.575,11.45
  Int2 (Sign) w0.127: v1(42.675,5.125) 43.153,5.603 43.153,15.832 44.79,17.469 59.181,17.469 v1(60.3,16.35)
  Bottom Layer w0.254: U8.11@41.8,5.125 v1(42.675,5.125) ; v1(60.3,16.35) 59.4,16.35 59.125,16.075 59.125,15.6 59.4,15.325 62.325,15.325 63.225,14.425 R23.1@63.225,13.1 64.29,13.1 64.271,13.081 64.271,12.529 v1(64.3,12.5) 64.3,12.459 64.525,12.234 TP20.1@64.525,10.8
SDA: J4.1 Q1.3 R20.1 | length 31.1
  Bottom Layer w0.127: Q1.3@66.125,15.2 Q1.3@66.19,15.2 ; R20.1@67.2,15.65 66.64,15.65 Q1.3@66.19,15.2 ; J4.1@90.52,4.07 86.215,8.375 81.475,8.375 78.025,11.825 68.75,11.825 68.038,12.537 68.038,14.037 67.5,14.575 66.815,14.575 Q1.3@66.19,15.2
SDA_5V: Q1.1 R22.1 TP21.1 U6.3 U8.12 U17.5 | length 42.7
  Top Layer w0.254: v1(59.65,15.85) U17.5@59.65,17.35 ; v1(65,12.5) 65,12.459 65.057,12.402 65.057,11.468 U6.3@65.075,11.45
  Int2 (Sign) w0.127: v1(42.675,4.4) 42.7,4.375 43.8,4.375 44.15,4.725 44.15,15.425 45.3,16.575 58.925,16.575 v1(59.65,15.85)
  Bottom Layer w0.254: U8.12@41.8,4.625 41.802,4.623 42.411,4.623 42.634,4.4 v1(42.675,4.4) ; v1(59.65,15.85) R22.1@63.225,15.85 Q1.1@64.225,15.85 ; TP21.1@64.525,18.025 64.532,18.018 64.532,16.092 64.29,15.85 Q1.1@64.225,15.85 ; v1(65,12.5) 65,13.3 64.9,13.4 64.225,14.075 Q1.1@64.225,15.85
TERM_4: J4.13 R48.2 R50.2 TP23.1 | length 64.5
  Bottom Layer w0.127: TP23.1@17.875,10.95 R48.2@20.1,10.95 ; R48.2@20.1,10.925 26.025,5 34.2,5 38.1,8.9 42,8.9 42.4,8.5 44.15,8.5 45.4,9.75 47.325,9.75 48.575,8.5 59.3,8.5 59.947,7.853 69.696,7.853 69.702,7.848 70.449,7.848 70.454,7.853 70.796,7.853 70.802,7.848 71.613,7.848 J4.13@75.292,4.17
TRIM1: U17.1 | length 2.1
  Top Layer w0.25: U17.1@62.25,17.35 62.25,18.475 62.6,18.825 v1(63.1,18.825)
TRIM2: U17.8 | length 7.9
  Top Layer w0.25: v1(56.775,18.65) 57.45,17.975 57.45,13.4 58.35,12.5 U17.8@58.35,11.45
TRIM3: U17.9 | length 1.5
  Top Layer w0.25: U17.9@59,10.921 v1(59,12.45)
TRIM4: C131.1 FB7.1 U17.14 | length 25.8
  Top Layer w0.25: v1(62.25,12.45) U17.14@62.25,11.45 U17.14@62.288,11.412
  Int2 (Sign) w0.254: v1(45.5,12.75) 45.5,15.5 46,16 53.75,16 56.65,13.1 61.6,13.1 v1(62.25,12.45)
  Bottom Layer w0.254: FB7.1@43.05,13.325 43.038,13.313 43.038,12.373 C131.1@43.025,12.36 44.485,12.36 44.875,12.75 v1(45.5,12.75)
U5-: C100.2 R14.1 R14.3 U5.2 | length 6.4
  Top Layer w0.254: R14.1@70.2,11.595 70.373,11.422 70.588,11.422 71.183,10.828 71.427,10.828 R14.3@71.6,10.655 ; R14.3@71.605,10.66 C100.2@72.645,10.66 ; C100.2@72.65,10.665 C100.2@72.645,10.66 ; U5.2@75.32,11.675 75.306,11.661 75.306,10.809 75.157,10.66 C100.2@72.645,10.66
VCM: R1.1 R2.1 TP16.1 U7.13 | length 4.7
  Top Layer w0.254: U7.13@49.3,13.725 50.1,13.725 v1(50.65,13.175) 50.675,13.15 50.675,12.375 R2.1@50.7,12.35 R1.1@51.7,12.35
  Bottom Layer w0.254: v1(50.65,13.175) 50.675,13.15 50.675,11.925 TP16.1@50.7,11.9
VOUT1: U6.9 U17.2 | length 6.2
  Top Layer w0.254: U17.2@61.6,17.35 61.6,15.7 62.725,14.575 64.225,14.575 64.575,14.925 U6.9@64.575,15.85
VOUT2: U6.8 U17.7 | length 11
  Top Layer w0.254: U17.7@58.35,17.35 58.35,14.75 59,14.1 64.5,14.1 65.069,14.669 65.069,15.819 65.057,15.832 U6.8@65.075,15.85
VOUT3: U6.7 U17.10 | length 9.2
  Top Layer w0.254: U17.10@59.625,11.425 U17.10@59.65,11.45 59.65,12.475 60.775,13.6 64.75,13.6 65.575,14.425 U6.7@65.575,15.85
VOUT4: U6.6 U17.13 | length 7.9
  Top Layer w0.254: U17.13@61.6,11.45 61.625,11.425 61.638,11.438 61.638,12.512 62.2,13.075 65,13.075 66.075,14.15 U6.6@66.075,15.85
pads on no net: U5.1 U5.5 U5.8 U6.5 U7.1 U7.2 U7.16 U8.17 U9.9 U9.13 U9.16 U18.1 U18.5 U18.8 U20.4

## Polygon pours and split planes (outlines as drawn)
GND on Top Layer "GND_L05_P-001" (solid, remove dead copper, pour order 80): 0,0 0,25 108,25 108,0
NetC2_2 on Top Layer "NetC2_2_IN_L01_P-001" (solid, pour order 78): 93.025,18.485 98.5,18.485 98.5,13.6 97.2,13.6 97.2,14 93.025,14
+VUSB on Top Layer "+VUSB_L01_P-001" (solid, pour order 75): 97.2,13.325 97.2,10.225 95.8,10.225 95.8,7.6 98.5,7.6 98.5,13.325
+5V2 on Top Layer "+5V2_L01_P-001" (solid, pour order 79): 90.2,11.675 90.2,19.725 80.9,19.725 80.9,17 89.225,17 89.225,11.675
-5V on Int3 (Sign) "-5V_L04_P107" (solid, pour order 107): 72.1,8.7 82.2,8.7 82.2,16.8 34.5,16.8 34.5,0.3 45.3,0.3 45.3,12.8 72.1,12.8
+3V3 on Int3 (Sign) "+3V3_L04_P-001" (solid, remove dead copper, pour order 106): 50.25,0 50.25,25 108,25 108,0
+5V on Int3 (Sign) "+5V_L04_P105" (solid, pour order 105): 88.2,23.2 82.2,23.2 33.4,23.2 33.4,17.1 33.4,0.3 37.1,0.3 37.1,16.825 82.2,16.825 82.2,8.7 72.1,8.7 72.1,12.8 50.8,12.8 45.3,12.8 45.3,0.3 48.2,0.3 48.2,11.1 50.8,11.1 50.8,9.1 69,9.1 69,7 88.2,7 88.2,8.7
GND on Int3 (Sign) "GND_L04_P100" (solid, pour order 100): 0,23.5 33.4,23.5 33.4,0 0,0
+3V3_PGA on Int3 (Sign) "+3V3_PGA_L04_P-001" (solid, pour order 91): 48.5,10 48.2,10.3 48.2,10.9 50.5,10.9 50.5,10.3 50.5,0.3 48.5,0.3
GND on Bottom Layer "GND_L05_P-001" (solid, remove dead copper, pour order 104): 0,0 0,25 108,25 108,0
GND on Int4 (GND) "GND_L05_P-001" (solid, remove dead copper, pour order 51): 0,0 0,25 108,25 108,0
GND on Int1 (GND) "GND_L05_P-001" (solid, remove dead copper, pour order 52): 0,0 0,25 108,25 108,0
GND on Int2 (Sign) "GND_L05_P-001" (solid, remove dead copper, pour order 95): 0,0 0,25 108,25 108,0

## Keep-outs
Top Layer:
  rectangle: 0,21 100.2,23.5
Bottom Layer:
  rectangle: 0,21 100.2,23.5

## Other copper
Top Layer:
  pour cut-out: 14.85,19.8 43.225,19.8 43.225,2.3 14.85,2.3
  pour cut-out: 45.125,12.225 49.625,12.225 49.625,16.725 45.125,16.725

## Silkscreen, mask and mechanical layers (free items; w line width, h text height)
Top Overlay:
  lines w0.1: 0,23.5 7.65,23.525
  text "+VUSB" at 92,8.192 h1.5
  text "OUT_N" at 53.336,7.771 h1.2
  text "OUT_P" at 63.325,7.771 h1.2
  text "GND" at 93.349,6.192 h1.5
  text "TERM" at 76.029,5.9 h1.2 r90
  text "CPL" at 78.57,5.9 h1.2 r90
  text "ATTEN" at 81.098,5.9 h1.2 r90
  text "SCLK" at 83.638,5.9 h1.2 r90
  text "SDIO" at 86.178,5.9 h1.2 r90
  text "CSn" at 88.718,5.9 h1.2 r90
  text "SDA" at 91.258,5.9 h1.2 r90
  text "SCL" at 92.25,0.892 h1.2
Bottom Overlay:
  text "SDA_5V" at 63.611,17.721 h1.2
  text "+5V2" at 87.576,17.623 h1.2
  text "CP_IN" at 82.755,17.246 h1.2
  text "+" at 84.378,16.635 h1.2 r270
  text "-" at 82.4,16.447 h1.2 r180
  text "TRIM4" at 44.771,15.6 h1.2 r270
  text "LDO" at 86.973,15.223 h1.2
  text "-" at 84.8,14.278 h1.2
  text "+VBIAS" at 68.798,13.788 h1.2 r270
  text "-VBIAS" at 76.248,12.909 h1.2 r270
  text "CP_OUT" at 85.589,12.125 h1.2
  text "+" at 81.153,11.11 h1.2 r270
  text "SCL_5V" at 63.611,10.521 h1.2
  text "VCM" at 51.582,10.373 h1.2
  text "ATTEN4" at 27.975,10.296 h1.2
  text "TERM4" at 17.048,10.121 h1.2
  text "-5V" at 83.853,9.978 h1.2
  text "+5V" at 89.445,9.978 h1.2
  text "PGA_CS4" at 45.921,9.85 h1.2 r270
  text "-" at 81.575,8.978 h1.2
  text "CPL4" at 31.041,7.521 h1.2
  text "+5V" at 46.723,7.428 h1.2
  text "LDO" at 46.054,4.316 h1.2
  text "+3V3_PGA" at 48.754,1.816 h1.2
Top Solder:
  region: -24.947,-4.571 -24.946,-4.568 -24.944,-4.569 -24.945,-4.574 -24.946,-4.574 -24.947,-4.573
  region: -24.949,-4.56 -24.948,-4.564 -24.949,-4.564 -24.95,-4.561
Board Outline:
  the board outline again, w0.1
DrillDrawing:
  text "Drilling Details." at 225.001,62.483 h1
  text ".LEGEND" at 225.25,-14.648 h1